# Altium PCB pcb_88.PcbDoc (part 1 of 3) (continued)
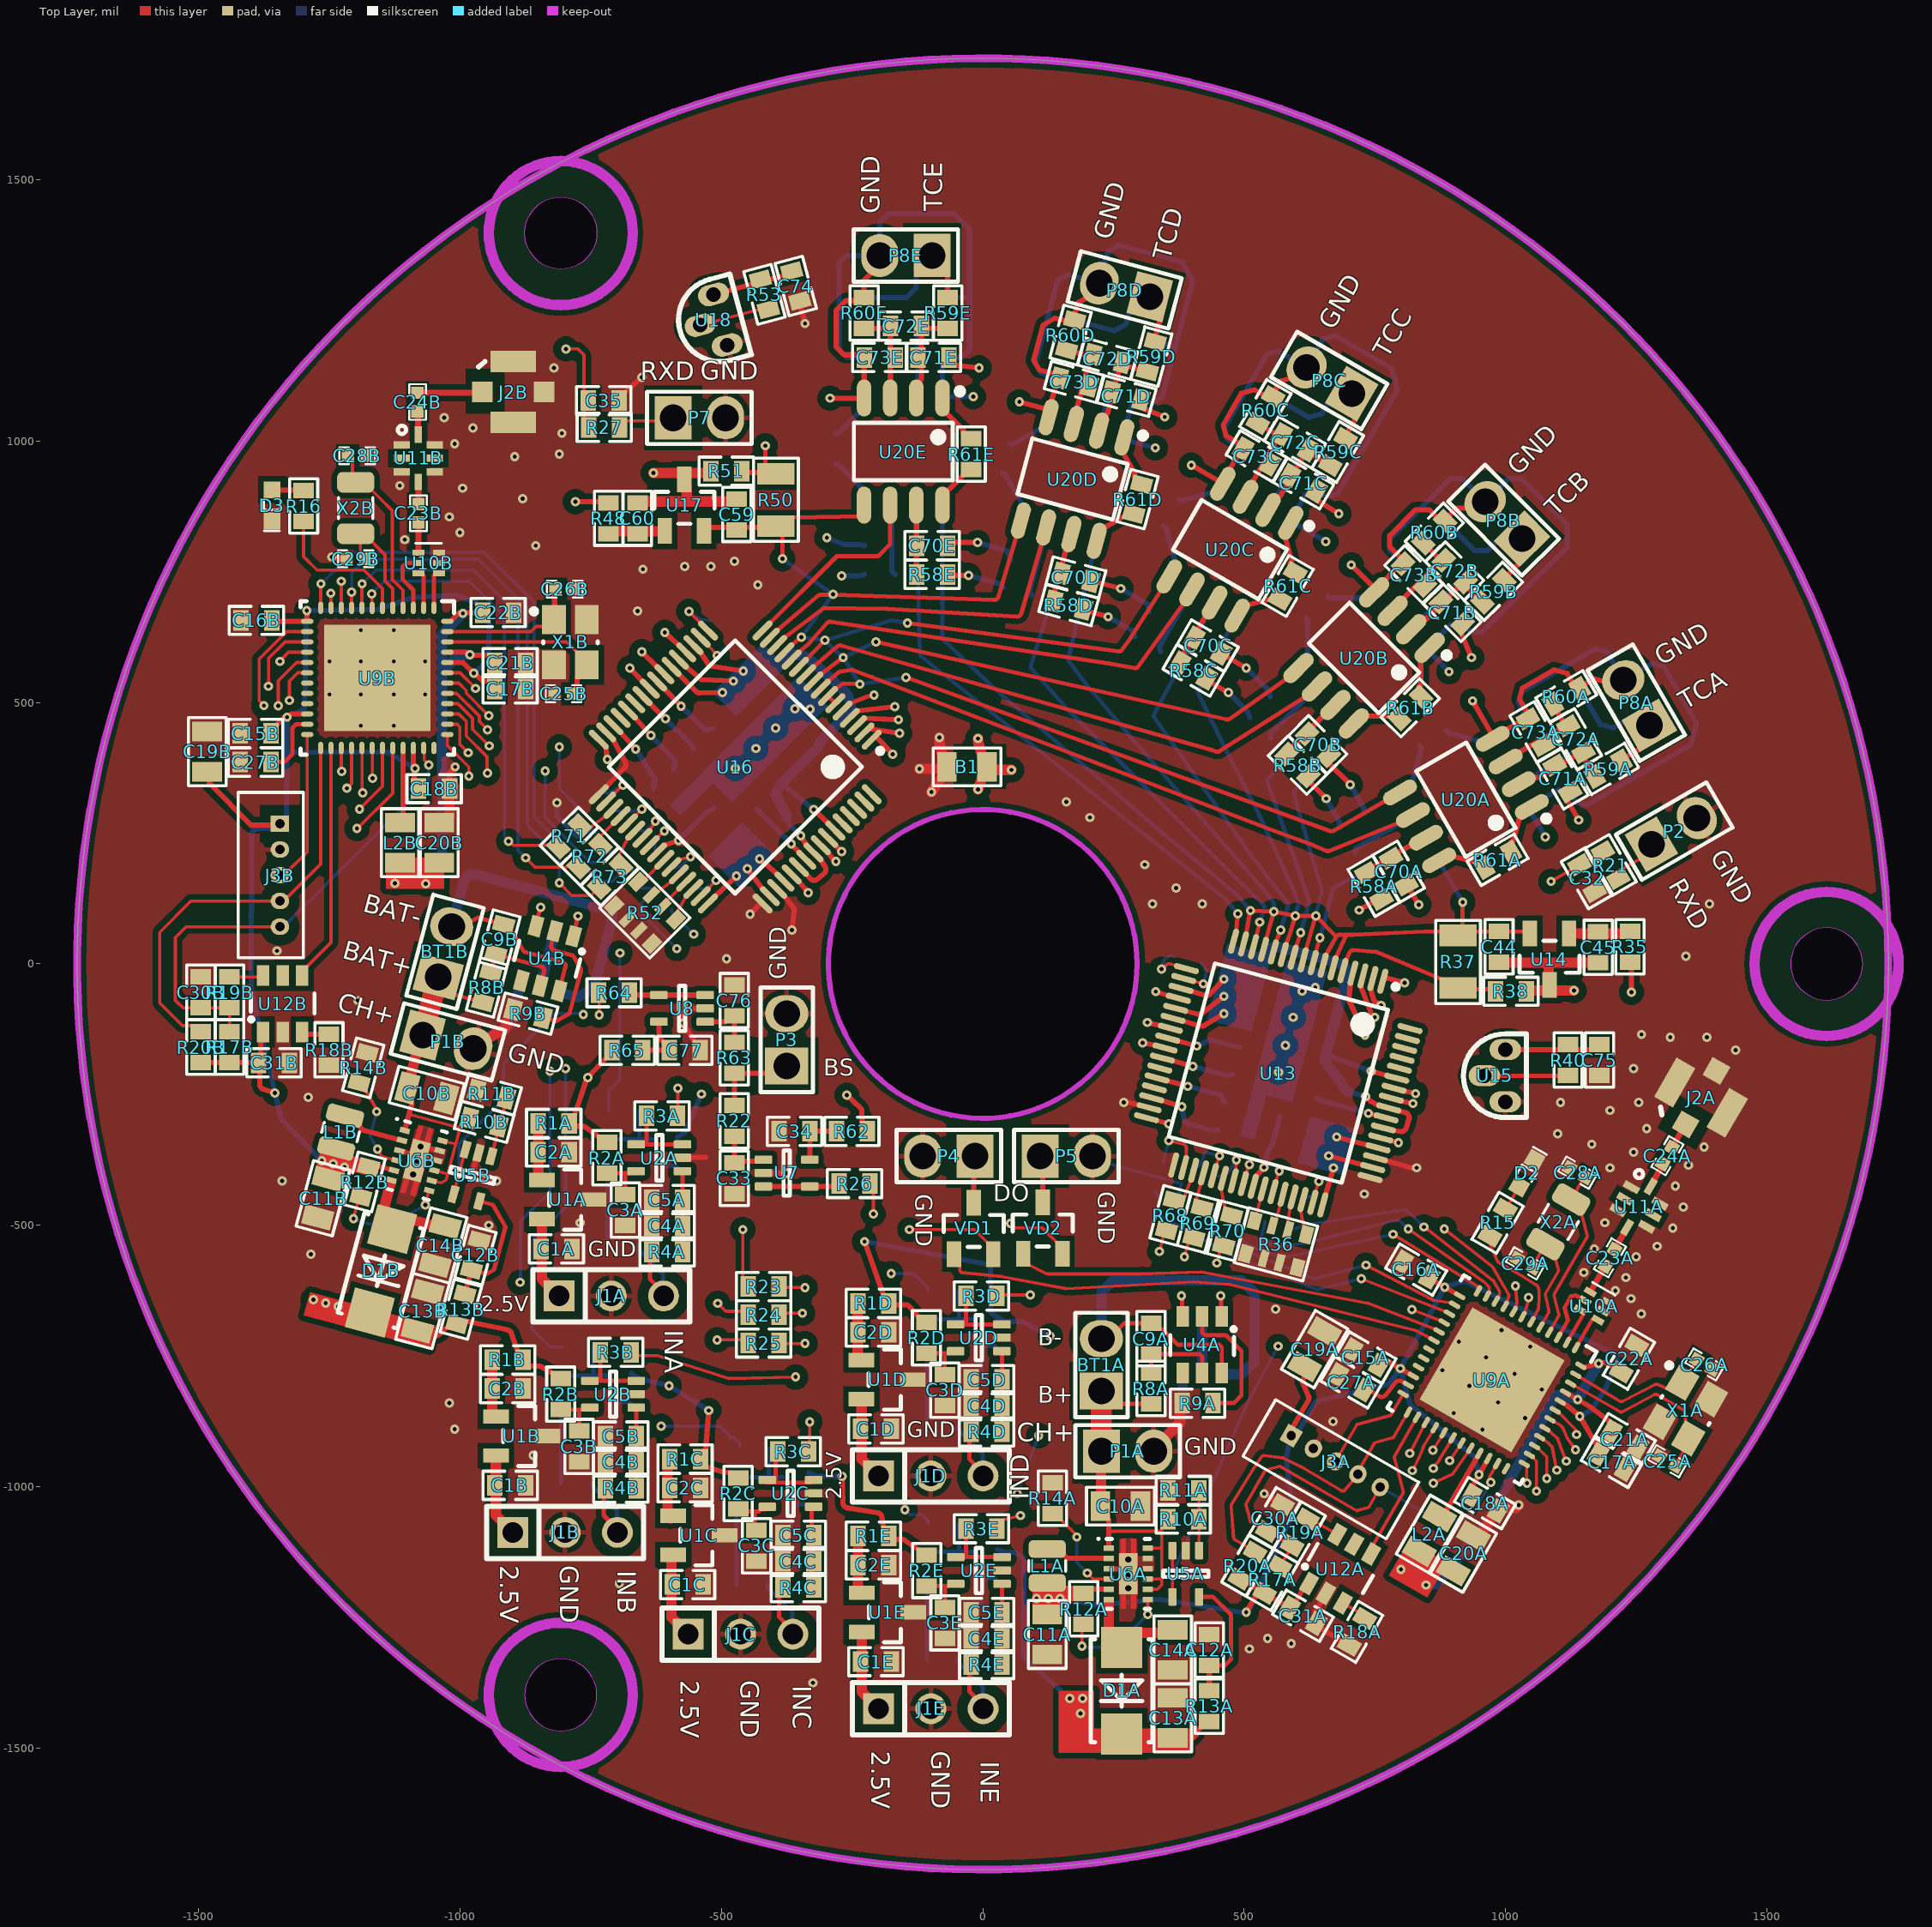
[diagram p0: Top Layer view]
## Components (designator, comment, footprint, x,y, rotation, side; value= is the part's Value field where it differs from the comment) (continued)
C40 "1uF" R0603_C 548.57,-60.55 r165 bottom
C41 "1uF" R0603_C 562.76,-7.58 r165 bottom
C42 "1uF" R0603_C 596.45,-300.9 r165 bottom
C43 "1uF" R0603_C 582.63,-352.48 r165 bottom
C44 "1uF" R0603_C 987.54,32.63 r90 top
C45 "1uF" R0603_C 1177.25,31.7 r90 top
C46 "330nF" R0603_C 520.19,-166.48 r165 bottom
C47 "470pF" R0603_C 491.8,-272.41 r345 bottom
C48 "270nF" R0603_C 477.61,-325.37 r345 bottom
C49 "270nF" R0603_C 610.27,-249.32 r165 bottom
C50 "270nF" R0603_C 505.99,-219.44 r345 bottom
C51 "1uF" R0603_C -414.36,356.11 r315 bottom
C52 "1uF" R0603_C -375.19,395.28 r315 bottom
C53 "1uF" R0603_C -336.02,434.45 r315 bottom
C54 "1uF" R0603_C -455.75,467.45 r135 bottom
C55 "1uF" R0603_C -417.45,505.75 r135 bottom
C56 "1uF" R0603_C -379.15,544.06 r135 bottom
C57 "1uF" R0603_C -492.71,277.76 r135 bottom
C58 "1uF" R0603_C -531.88,238.59 r135 bottom
C59 "1uF" R0603_C -470.56,859.84 r270 top
C60 "1uF" R0603_C -660.56,852.39 r270 top
C61 "330nF" R0603_C -494.05,429.15 r135 bottom
C62 "470pF" R0603_C -570.66,352.55 r315 bottom
C63 "270nF" R0603_C -608.96,314.25 r315 bottom
C64 "270nF" R0603_C -453.54,316.94 r135 bottom
C65 "270nF" R0603_C -532.36,390.85 r315 bottom
C66A "100nF" R0603_C 745.77,263.2 r300 bottom (schematic designator C66)
C66B "100nF" R0603_C 570.32,489.89 r315 bottom (schematic designator C66)
C66C "100nF" R0603_C 344.07,658.87 r330 bottom (schematic designator C66)
C66D "100nF" R0603_C 81.89,765.25 r345 bottom (schematic designator C66)
C66E "100nF" R0603_C -197,800 r0 bottom (schematic designator C66)
C67A "100nF" R0603_C 1055,445 r300 bottom (schematic designator C67)
C67B "100nF" R0603_C 825,745 r315 bottom (schematic designator C67)
C67C "100nF" R0603_C 520,975 r330 bottom (schematic designator C67)
C67D "100nF" R0603_C 170,1115 r345 bottom (schematic designator C67)
C67E "100nF" R0603_C -205,1160 r0 bottom (schematic designator C67)
C68A "10nF" R0603_C 1134.5,429.9 r300 bottom (schematic designator C68)
C68B "10nF" R0603_C 902.66,751.52 r315 bottom (schematic designator C68)
C68C "10nF" R0603_C 597.37,997.6 r330 bottom (schematic designator C68)
C68D "10nF" R0603_C 238.89,1158 r345 bottom (schematic designator C68)
C68E "10nF" R0603_C -147,1220 r0 bottom (schematic designator C68)
C69A "100nF" R0603_C 1110,350 r300 bottom (schematic designator C69)
C69B "100nF" R0603_C 900,670 r315 bottom (schematic designator C69)
C69C "100nF" R0603_C 615,920 r330 bottom (schematic designator C69)
C69D "100nF" R0603_C 275,1085 r345 bottom (schematic designator C69)
C69E "100nF" R0603_C -95,1160 r0 bottom (schematic designator C69)
C70A "100nF" R0603_C 795.77,176.6 r120 top (schematic designator C70)
C70B "100nF" R0603_C 641.03,419.18 r135 top (schematic designator C70)
C70C "100nF" R0603_C 430.67,608.87 r150 top (schematic designator C70)
C70D "100nF" R0603_C 178.48,739.37 r165 top (schematic designator C70)
C70E "100nF" R0603_C -97,800 r180 top (schematic designator C70)
C71A "100nF" R0603_C 1108.81,354.38 r120 top (schematic designator C71)
C71B "100nF" R0603_C 897.39,671.93 r135 top (schematic designator C71)
C71C "100nF" R0603_C 612.89,919.36 r150 top (schematic designator C71)
C71D "100nF" R0603_C 274.13,1086.44 r165 top (schematic designator C71)
C71E "100nF" R0603_C -94.44,1160 r180 top (schematic designator C71)
C72A "10nF" R0603_C 1134.5,429.9 r120 top (schematic designator C72)
C72B "10nF" R0603_C 902.66,751.52 r135 top (schematic designator C72)
C72C "10nF" R0603_C 597.37,997.6 r150 top (schematic designator C72)
C72D "10nF" R0603_C 238.89,1158 r165 top (schematic designator C72)
C72E "10nF" R0603_C -147,1220 r180 top (schematic designator C72)
C73A "100nF" R0603_C 1057.53,443.2 r120 top (schematic designator C73)
C73B "100nF" R0603_C 824.87,744.45 r135 top (schematic designator C73)
C73C "100nF" R0603_C 524.07,970.64 r150 top (schematic designator C73)
C73D "100nF" R0603_C 175.06,1112.98 r165 top (schematic designator C73)
C73E "100nF" R0603_C -197,1160 r180 top (schematic designator C73)
C74 "100nF" R0603_C -357.63,1296.59 r285 top
C75 "100nF" R0603_C 1179.58,-183.76 r270 top
C76 "100pF" R0603_C -475,-70 r270 top
C77 "100nF" R0603_C -570,-165 r180 top
D1A "B340A-13-F" SMA(DO-214AC)_S2 266,-1390 r90 top (schematic designator D1)
D1B "B340A-13-F" SMA(DO-214AC)_S2 -1151,-587 r75 top (schematic designator D1)
D2 "MHT192WDT-C2" LED_0603_RED 1041,-400 r60 top
D3 "MHT192WDT-C2" LED_0603_RED -1359.45,877.26 r270 top
J1A "HEADER3/2.54" SIP3/2.54 -810.53,-635 r0 top (schematic designator J1)
J1B "HEADER3/2.54" SIP3/2.54 -898.87,-1087.24 r0 top (schematic designator J1)
J1C "HEADER3/2.54" SIP3/2.54 -563.14,-1281.86 r0 top (schematic designator J1)
J1D "HEADER3/2.54" SIP3/2.54 -199.38,-979.29 r0 top (schematic designator J1)
J1E "HEADER3/2.54" SIP3/2.54 -199.1,-1424.41 r0 top (schematic designator J1)
J2A "IPEX" molex-73412 1373.86,-255.83 r330 top (schematic designator J2)
J2B "IPEX" molex-73412 -898,1094 r270 top (schematic designator J2)
J3A "530470510" 1.25mm_p5 589.92,-902.32 r60 top (schematic designator J3)
J3B "530470510" 1.25mm_p5 -1344.34,268.02 r0 top (schematic designator J3)
L1A "2.2uH" NR2016 123.41,-1151.57 r270 top (schematic designator L1)
L1B "2.2uH" NR2016 -1228.19,-321.52 r255 top (schematic designator L1)
L2A "6.8uH" R0805_L 854.49,-1090.15 r240 top (schematic designator L2)
L2B "6.8uH" R0805_L -1114.34,232 r270 top (schematic designator L2)
P1A "Header 2" CP1X2 227.03,-932 r0 top (schematic designator P1)
P1B "Header 2" CP1X2 -1071.28,-136.25 r345 top (schematic designator P1)
P2 "Header 2" CP1X2 1279.32,229.02 r30 top
P3 "Header 2" CP1X2 -375,-195 r90 top
P4 "Header 2" CP1X2 -14.95,-367.58 r180 top
P5 "Header 2" CP1X2 110.05,-367.58 r0 top
P7 "Header 2" CP1X2 -591.94,1044.47 r0 top
P8A "Header 2" CP1X2 1275.13,456.31 r120 top (schematic designator P8)
P8B "Header 2" CP1X2 1031.66,813.43 r135 top (schematic designator P8)
P8C "Header 2" CP1X2 705.96,1090.79 r150 top (schematic designator P8)
P8D "Header 2" CP1X2 319.65,1276.12 r165 top (schematic designator P8)
P8E "Header 2" CP1X2 -97,1355 r180 top (schematic designator P8)
Q1A "DMG6968UDM-7" DBV0006A_N 419.76,-728.54 r90 bottom (schematic designator Q1)
Q1B "DMG6968UDM-7" DBV0006A_N -832.45,10.4 r75 bottom (schematic designator Q1)
R1A "10R" R0603_R -820.53,-305 r180 top (schematic designator R1)
R1B "10R" R0603_R -908.87,-757.24 r180 top (schematic designator R1)
R1C "10R" R0603_R -569.53,-947 r180 top (schematic designator R1)
R1D "10R" R0603_R -209.38,-649.29 r180 top (schematic designator R1)
R1E "10R" R0603_R -209.1,-1094.41 r180 top (schematic designator R1)
R2A "10R" R0603_R -718.68,-370.71 r90 top (schematic designator R2)
R2B "10R" R0603_R -807.02,-822.95 r90 top (schematic designator R2)
R2C "10R" R0603_R -467.68,-1012.71 r90 top (schematic designator R2)
R2D "10R" R0603_R -107.53,-715 r90 top (schematic designator R2)
R2E "10R" R0603_R -107.25,-1160.12 r90 top (schematic designator R2)
R3A "1K" R0603_R -613.68,-290.71 r0 top (schematic designator R3)
R3B "1K" R0603_R -702.02,-742.95 r0 top (schematic designator R3)
R3C "1K" R0603_R -362.68,-932.71 r0 top (schematic designator R3)
R3D "1K" R0603_R -2.53,-635 r0 top (schematic designator R3)
R3E "1K" R0603_R -2.25,-1080.12 r0 top (schematic designator R3)
R4A "10K" R0603_R -603.68,-550.71 r0 top (schematic designator R4)
R4B "10K" R0603_R -692.02,-1002.95 r0 top (schematic designator R4)
R4C "10K" R0603_R -352.68,-1192.71 r0 top (schematic designator R4)
R4D "10K" R0603_R 7.47,-895 r0 top (schematic designator R4)
R4E "10K" R0603_R 7.75,-1340.12 r0 top (schematic designator R4)
R5A "10R" R0603_R -583.68,-360.71 r90 bottom (schematic designator R5)
R5B "10R" R0603_R -672.02,-812.95 r90 bottom (schematic designator R5)
R5C "10R" R0603_R -332.68,-1002.71 r90 bottom (schematic designator R5)
R5D "10R" R0603_R 27.47,-705 r90 bottom (schematic designator R5)
R5E "10R" R0603_R 27.75,-1150.12 r90 bottom (schematic designator R5)
R6A "1K" R0603_R -686.12,-280.71 r180 bottom (schematic designator R6)
R6B "1K" R0603_R -774.46,-732.95 r180 bottom (schematic designator R6)
R6C "1K" R0603_R -435.12,-922.71 r180 bottom (schematic designator R6)
R6D "1K" R0603_R -74.97,-625 r180 bottom (schematic designator R6)
R6E "1K" R0603_R -74.69,-1070.12 r180 bottom (schematic designator R6)
R7A "10K" R0603_R -688.68,-540.71 r180 bottom (schematic designator R7)
R7B "10K" R0603_R -777.02,-992.95 r180 bottom (schematic designator R7)
R7C "10K" R0603_R -437.68,-1182.71 r180 bottom (schematic designator R7)
R7D "10K" R0603_R -77.53,-885 r180 bottom (schematic designator R7)
R7E "10K" R0603_R -77.25,-1330.12 r180 bottom (schematic designator R7)
R8A "470R" R0603_R 322.03,-812 r90 top (schematic designator R8)
R8B "470R" R0603_R -948.45,-44.93 r75 top (schematic designator R8)
R9A "2K" R0603_R 411.03,-840 r180 top (schematic designator R9)
R9B "2K" R0603_R -869.73,-95.01 r165 top (schematic designator R9)
R10A "10M" R0603_R 383.41,-1062 r180 top (schematic designator R10)
R10B "10M" R0603_R -953.87,-302.29 r165 top (schematic designator R10)
R11A "10M" R0603_R 383.41,-1007 r0 top (schematic designator R11)
R11B "10M" R0603_R -939.64,-249.17 r345 top (schematic designator R11)
R12A "100K" R0603_R 193,-1233.47 r90 top (schematic designator R12)
R12B "100K" R0603_R -1182,-417 r75 top (schematic designator R12)
R13A "10R" R0603_R 433.41,-1419.44 r270 top (schematic designator R13)
R13B "10R" R0603_R -998.09,-660.5 r255 top (schematic designator R13)
R14A "100K" R0603_R 133.41,-1022 r270 top (schematic designator R14)
R14B "100K" R0603_R -1185,-198.95 r255 top (schematic designator R14)
R15 "330R" R0603_R 985,-495 r240 top
R16 "330R" R0603_R -1299.03,875.85 r90 top
R17A "100K" R0603_R 553.93,-1178.15 r240 top (schematic designator R17)
R17B "100K" R0603_R -1440.54,-159.3 r270 top (schematic designator R17)
R18A "10K" R0603_R 715.98,-1277.48 r60 top (schematic designator R18)
R18B "10K" R0603_R -1250.54,-164.3 r90 top (schematic designator R18)
R19A "0R" R0603_R 606.43,-1087.21 r240 top (schematic designator R19)
R19B "0R" R0603_R -1440.54,-54.3 r270 top (schematic designator R19)
R20A "0R" R0603_R 506.3,-1150.65 r60 top (schematic designator R20)
R20B "0R" R0603_R -1495.54,-159.3 r90 top (schematic designator R20)
R21 "47R" R0603_R 1200.92,189.02 r300 top
R22 "10K" R0603_R -475,-300 r270 top
R23 "10K" R0603_R -419,-617 r0 top
R24 "10K" R0603_R -419,-671 r0 top
R25 "10K" R0603_R -419,-725 r0 top
R26 "1K" R0603_R -245,-420 r0 top
R27 "47R" R0603_R -723.89,1026.01 r0 top
R28 "1K" R0603_R 605.55,-477.67 r255 bottom
R29 "10R" R0603_R 692.73,-273.66 r75 bottom
R30 "47R" R0603_R 442.83,-434.81 r255 bottom
R31 "47R" R0603_R 495.34,-448.88 r255 bottom
R32 "47R" R0603_R 337.81,-406.67 r255 bottom
R33 "47R" R0603_R 547.85,-462.95 r255 bottom
R34 "10K" R0603_R 390.32,-420.74 r255 bottom
R35 "10R" R0603_R 1238,33 r90 top
R36 "10K" R0603X4 561,-536 r255 top
R37 "PTS1206M1B1K00P100" R1206_R 909.18,4.39 r270 top
R38 "100K/0.1%" R0603_R 1010.32,-52.37 r0 top
R39 "10K" R0603_R 368.25,45.31 r75 bottom
R40 "10K" R0603_R 1119.58,-183.76 r90 top
R41 "1K" R0603_R -574.31,125.45 r225 bottom
R42 "10R" R0603_R -396.23,260.23 r45 bottom
R43 "47R" R0603_R -684.62,235.76 r225 bottom
R44 "47R" R0603_R -647.85,198.99 r225 bottom
R45 "47R" R0603_R -758.16,309.3 r225 bottom
R46 "47R" R0603_R -611.08,162.22 r225 bottom
R47 "10K" R0603_R -721.39,272.53 r225 bottom
R48 "10R" R0603_R -715.56,852.39 r270 top
R49 "10K" R0603_R 426.21,29.78 r75 bottom
R50 "PTS1206M1B1K00P100" R1206_R -395.56,887.39 r90 top
R51 "100K/0.1%" R0603_R -490.56,942.39 r180 top
R52 "10K" R0603X4 -646,98 r225 top
R53 "10K" R0603_R -417.52,1280.55 r105 top
R54A "10R" R0603_R 698.13,235.7 r120 bottom (schematic designator R54)
R54B "10R" R0603_R 531.42,451 r135 bottom (schematic designator R54)
R54C "10R" R0603_R 316.57,611.24 r150 bottom (schematic designator R54)
R54D "10R" R0603_R 67.65,712.12 r165 bottom (schematic designator R54)
R54E "10R" R0603_R -197,745 r180 bottom (schematic designator R54)
R55A "1K" R0603_R 1116.15,511.68 r210 bottom (schematic designator R55)
R55B "1K" R0603_R 863.76,825.76 r225 bottom (schematic designator R55)
R55C "1K" R0603_R 540.59,1059.25 r240 bottom (schematic designator R55)
R55D "1K" R0603_R 168.08,1202.85 r255 bottom (schematic designator R55)
R55E "1K" R0603_R -227,1245 r270 bottom (schematic designator R55)
R56A "1K" R0603_R 1195,370 r210 bottom (schematic designator R56)
R56B "1K" R0603_R 975,710 r225 bottom (schematic designator R56)
R56C "1K" R0603_R 680,980 r240 bottom (schematic designator R56)
R56D "1K" R0603_R 325,1160 r255 bottom (schematic designator R56)
R56E "1K" R0603_R -65,1245 r270 bottom (schematic designator R56)
R57A "10K" R0603_R 863.48,429.31 r210 bottom (schematic designator R57)
R57B "10K" R0603_R 641.03,680.81 r225 bottom (schematic designator R57)
R57C "10K" R0603_R 362.96,861.58 r240 bottom (schematic designator R57)
R57D "10K" R0603_R 47.66,965.94 r255 bottom (schematic designator R57)
R57E "10K" R0603_R -282,985 r270 bottom (schematic designator R57)
R58A "10R" R0603_R 748.13,149.1 r300 top (schematic designator R58)
R58B "10R" R0603_R 602.13,380.29 r315 top (schematic designator R58)
R58C "10R" R0603_R 403.17,561.24 r330 top (schematic designator R58)
R58D "10R" R0603_R 164.24,686.24 r345 top (schematic designator R58)
R58E "10R" R0603_R -97,745 r0 top (schematic designator R58)
R59A "1K" R0603_R 1196.15,373.11 r210 top (schematic designator R59)
R59B "1K" R0603_R 976.9,712.63 r225 top (schematic designator R59)
R59C "1K" R0603_R 679.15,979.25 r240 top (schematic designator R59)
R59D "1K" R0603_R 322.63,1161.44 r255 top (schematic designator R59)
R59E "1K" R0603_R -67,1245 r270 top (schematic designator R59)
R60A "1K" R0603_R 1116.15,511.68 r210 top (schematic designator R60)
R60B "1K" R0603_R 863.76,825.76 r225 top (schematic designator R60)
R60C "1K" R0603_R 540.59,1059.25 r240 top (schematic designator R60)
R60D "1K" R0603_R 168.08,1202.85 r255 top (schematic designator R60)
R60E "1K" R0603_R -227,1245 r270 top (schematic designator R60)
R61A "10K" R0603_R 984.82,199.14 r210 top (schematic designator R61)
R61B "10K" R0603_R 817.8,489.89 r225 top (schematic designator R61)
R61C "10K" R0603_R 583.13,722.92 r240 top (schematic designator R61)
R61D "10K" R0603_R 296.22,888.99 r255 top (schematic designator R61)
R61E "10K" R0603_R -22,975 r270 top (schematic designator R61)
R62 "10R" R0603_R -250.47,-320 r0 top
R63 "10K" R0603_R -475,-179.53 r90 top
R64 "1K" R0603_R -705,-55 r180 top
R65 "10R" R0603_R -680,-165 r180 top
R66 "10K" R0603_R -499.71,677.5 r45 bottom
R67 "10K" R0603_R -457.28,635.07 r45 bottom
R68 "1K" R0603_R 359,-481 r255 top
R69 "1K" R0603_R 411.64,-495.48 r255 top
R70 "1K" R0603_R 468.64,-510.48 r255 top
R71 "1K" R0603_R -791,244 r225 top
R72 "1K" R0603_R -752,206 r225 top
R73 "1K" R0603_R -713,167 r225 top
U1A "REF3325AIDBZR" SOT-23(SOT-23-3) -793.68,-450.71 r180 top (schematic designator U1)
U1B "REF3325AIDBZR" SOT-23(SOT-23-3) -882.02,-902.95 r180 top (schematic designator U1)
U1C "REF3325AIDBZR" SOT-23(SOT-23-3) -542.68,-1092.71 r180 top (schematic designator U1)
U1D "REF3325AIDBZR" SOT-23(SOT-23-3) -182.53,-795 r180 top (schematic designator U1)
U1E "REF3325AIDBZR" SOT-23(SOT-23-3) -182.25,-1240.12 r180 top (schematic designator U1)
U2A "TLV333IDCK" DCK0005A_N -618.68,-370.71 r180 top (schematic designator U2)
U2B "TLV333IDCK" DCK0005A_N -707.02,-822.95 r180 top (schematic designator U2)
U2C "TLV333IDCK" DCK0005A_N -367.68,-1012.71 r180 top (schematic designator U2)
U2D "TLV333IDCK" DCK0005A_N -7.53,-715 r180 top (schematic designator U2)
U2E "TLV333IDCK" DCK0005A_N -7.25,-1160.12 r180 top (schematic designator U2)
U3A "TLV333IDCK" DCK0005A_N -673.68,-360.71 r0 bottom (schematic designator U3)
U3B "TLV333IDCK" DCK0005A_N -762.02,-812.95 r0 bottom (schematic designator U3)
U3C "TLV333IDCK" DCK0005A_N -422.68,-1002.71 r0 bottom (schematic designator U3)
U3D "TLV333IDCK" DCK0005A_N -62.53,-705 r0 bottom (schematic designator U3)
U3E "TLV333IDCK" DCK0005A_N -62.25,-1150.12 r0 bottom (schematic designator U3)
U4A "S-8261AAJMD-G2JT2S" DBV0006A_N 419.76,-728.54 r270 top (schematic designator U4)
U4B "S-8261AAJMD-G2JT2S" DBV0006A_N -832.45,10.4 r255 top (schematic designator U4)
U5A "TLV333IDCK" DCK0005A_N 388.41,-1166.29 r270 top (schematic designator U5)
U5B "TLV333IDCK" DCK0005A_N -976.03,-404.32 r255 top (schematic designator U5)
U6A "TPS62740DSSR" DSS0012A 278.43,-1166.47 r0 top (schematic designator U6)
U6B "TPS62740DSSR" DSS0012A -1082.31,-376.04 r345 top (schematic designator U6)
U7 "TLV333IDCK" DCK0005A_N -375,-400 r0 top
U8 "TLV333IDCK" DCK0005A_N -575,-85 r180 top
U9A "CC1310F128RGZR" RGZ0048A 974.18,-795.52 r240 top (schematic designator U9)
U9B "CC1310F128RGZR" RGZ0048A -1158,547 r270 top (schematic designator U9)
U10A "0850BM14E0016" 6P0603 1162.14,-627.27 r330 top (schematic designator U10)
U10B "0850BM14E0016" 6P0603 -1079.34,786.69 r0 top (schematic designator U10)
U11A "0900LP15B0063" 8P0805 1237.31,-425 r330 top (schematic designator U11)
U11B "0900LP15B0063" 8P0805 -1114.98,992.59 r0 top (schematic designator U11)
U12A "TPL5010DDCR" DBV0006A_N 683.41,-1156.82 r60 top (schematic designator U12)
U12B "TPL5010DDCR" DBV0006A_N -1339.07,-76.09 r90 top (schematic designator U12)
U13 "ADS131E08SPAG" TQFP-64 565.23,-208.79 r255 top
U14 "REF3312AIDBZR" SOT-23(SOT-23-3) 1084,8.79 r90 top
U15 "DS18B20" TO-92 999.58,-263.76 r90 top
U16 "ADS131E08SPAG" TQFP-64 -473.3,376.73 r225 top
U17 "REF3312AIDBZR" SOT-23(SOT-23-3) -570.56,877.39 r270 top
U18 "DS18B20" TO-92 -488.91,1183.77 r105 top
U19A "AD627BRZ" SOP-8_150mil 924.15,314.23 r300 bottom (schematic designator U19)
U19B "AD627BRZ" SOP-8_150mil 729.41,585.35 r315 bottom (schematic designator U19)
U19C "AD627BRZ" SOP-8_150mil 473.04,792.25 r330 bottom (schematic designator U19)
U19D "AD627BRZ" SOP-8_150mil 171.94,927.47 r345 bottom (schematic designator U19)
U19E "AD627BRZ" SOP-8_150mil -152,980 r0 bottom (schematic designator U19)
U20A "AD627BRZ" SOP-8_150mil 924.15,314.23 r120 top (schematic designator U20)
U20B "AD627BRZ" SOP-8_150mil 729.41,585.35 r135 top (schematic designator U20)
U20C "AD627BRZ" SOP-8_150mil 473.04,792.25 r150 top (schematic designator U20)
U20D "AD627BRZ" SOP-8_150mil 171.94,927.47 r165 top (schematic designator U20)
U20E "AD627BRZ" SOP-8_150mil -152,980 r180 top (schematic designator U20)
VD1 "BAT54C" SOT-23(SOT-23-3) -17.4,-505.79 r270 top
VD2 "BAT54C" SOT-23(SOT-23-3) 115,-505 r270 top
X1A "24MHZ" SMD-3225 1344,-854 r330 top (schematic designator X1)
X1B "24MHZ" SMD-3225 -788.55,615.31 r0 top (schematic designator X1)
X2A "32.768k" FC-135 1100.88,-493.39 r240 top (schematic designator X2)
X2B "32.768k" FC-135 -1199.34,872 r270 top (schematic designator X2)

## Footprints (in the part's own frame and the unit in brackets; to place one, negate y for a bottom-side part, rotate by r counter-clockwise, add the part's x,y. Pads: shape width x height; smd on the part's side, far side on the other; paste and mask are expansions set on the pad)
1.25mm_p5 [mm]
  rect 0.9x0.8 hole 0.45: 1(0,0)
  oval 0.9x0.8 hole 0.45: 2(0,-1.25) 3(0,-2.5) 4(0,-3.75) 5(0,-5)
  silkscreen extent -2.03,-6.5 1.14,1.52, body extent -2.06,-6.48 1.14,1.52, height 4.28
6P0603 [mm]
  rect 0.6x0.3 smd: 1(0,0) 2(0,-0.5) 3(0,-1) 4(1,-1) 5(1,-0.5) 6(1,0)
  silkscreen extent -0.15,0.46 1.12,0.46, body extent 0.1,-1.3 0.9,0.3, height 0.6
8P0805 [mm]
  rect 0.8x0.35 smd: 1(0.1,0) 2(0.1,-0.65) 3(0.1,-1.3) 5(1.7,-1.3) 6(1.7,-0.65) 7(1.7,0)
  rect 0.35x0.8 smd: 4(0.9,-1.8) 8(0.9,0.5)
  silkscreen extent -0.1,0.54 0.3,0.94, body extent 0.28,-1.62 1.53,0.38, height 0.95
CP1X2 [mm]
  rect 1.8x2.1 hole 1.3: 1(0,0)
  oval 1.8x2.1 hole 1.3: 2(2.54,0)
  silkscreen extent -1.27,-1.27 3.81,1.27
DBV0006A_N [mm]
  rect 1x0.6 smd paste+0 mask+0.051: 1(-1.375,0.95) 2(-1.375,0) 3(-1.375,-0.95) 4(1.375,-0.95) 5(1.375,0) 6(1.375,0.95)
  silkscreen extent -0.86,-1.55 0.5,1.62, body extent -1.41,-1.45 1.41,1.45, height 1
DCK0005A_N [mm]
  rrect25% 0.85x0.4 smd: 1(-1.125,0.65) 2(-1.125,0) 3(-1.125,-0.65) 4(1.125,-0.65) 5(1.125,0.65)
  silkscreen extent -0.15,-1.1 0.15,1.1, body extent -1.1,-1 1.1,1, height 1.1
DSS0012A [mm]
  rect 0.5x0.28 smd paste-0.14 mask+0.076: 1(-0.95,1.25) 2(-0.95,0.75) 3(-0.95,0.25) 4(-0.95,-0.25) 5(-0.95,-0.75) 6(-0.95,-1.25) 7(0.95,-1.25) 8(0.95,-0.75) 9(0.95,-0.25) 10(0.95,0.25) 11(0.95,0.75) 12(0.95,1.25)
  rect 0.9x2 smd paste-0.45 mask+0.076: 13(0,0)
  Top Layer region: -0.125,-1.7 -0.375,-1.7 -0.375,-1 -0.45,-1 -0.45,1 -0.375,1 -0.375,1.7 -0.125,1.7 -0.125,1 0.125,1 0.125,1.7 0.375,1.7 0.375,1 0.45,1 0.45,-1 0.375,-1 0.375,-1.7 0.125,-1.7 0.125,-1 -0.125,-1
  silkscreen extent -1.5,-1.7 1.05,1.75, body extent -1,-1.5 1,1.5, height 0.8
FC-135 [mm]
  rrect50% 1x1.8 smd: 1(-1.25,0) 2(1.25,0)
  silkscreen extent -0.51,-0.84 0.51,0.84, body extent -1.6,-0.75 1.6,0.75, height 0.8
LED_0603_RED [mm]
  rect 0.8x0.8 smd mask+0.05: 1(-0.75,0) 2(0.75,0)
  silkscreen extent -0.25,-0.4 1.25,0.4, body extent -0.8,-0.4 0.8,0.4, height 0.6
molex-73412 [mm]
  rect 1x1 smd: 1(0,-1.5) 3(0,1.5)
  rect 1.05x2.2 smd: 2(1.475,0) 4(-1.475,0)
  silkscreen extent -1.47,-1.68 -1.22,-1.37, body extent -1.5,-1.54 1.5,1.54, height 1.5
NR2016 [mm]
  rrect50% 0.85x1.8 smd: 1(-0.825,0) 2(0.825,0)
  silkscreen extent -0.25,-0.89 0.25,0.89, body extent -1.05,-0.8 1.05,0.8, height 0.9
R0402_C [mm]
  rect 0.6x0.6 smd mask+0.05: 1(-0.45,0) 2(0.45,0)
  silkscreen extent -0.86,-0.41 0.86,0.41, body extent -0.5,-0.31 0.5,0.31, height 0.4
R0603_C [mm]
  rect 0.75x1 smd: 1(-0.75,0) 2(0.75,0)
  silkscreen extent -1.32,-0.69 1.32,0.69, body extent -0.8,-0.4 0.8,0.4, height 0.3
R0603_R [mm]
  rect 0.75x1 smd: 1(-0.75,0) 2(0.75,0)
  silkscreen extent -1.32,-0.69 1.32,0.69, body extent -0.85,-0.4 0.85,0.4, height 0.56
R0603X4 [mm]
  rect 0.85x0.6 smd paste+0 mask+0: 1(-0.825,1.3) 4(-0.825,-1.3) 5(0.825,-1.3) 8(0.825,1.3)
  rect 0.85x0.4 smd paste+0 mask+0: 2(-0.825,0.4) 3(-0.825,-0.4) 6(0.825,-0.4) 7(0.825,0.4)
  silkscreen extent -1.37,-1.73 1.4,1.73, body extent -0.8,-1.6 0.8,1.6, height 0.51
R0805_C [mm] "Chip Resistor; Body 80x50mil (2.0 x 1.3 mm)"
  rect 0.95x1.45 smd: 1(-0.975,0) 2(0.975,0)
  silkscreen extent -1.65,-0.91 1.65,0.91, body extent -1.1,-0.71 1.1,0.71, height 1.35
R0805_L [mm] "Chip Resistor; Body 80x50mil (2.0 x 1.3 mm)"
  rect 0.95x1.45 smd: 1(-0.975,0) 2(0.975,0)
  silkscreen extent -1.65,-0.91 1.65,0.91, body extent -1,-0.62 1,0.63, height 1.25
R1206_R [mm] "Chip Resistor; Body 120x60mil (3.2 x 1.6 mm )"
  rect 1.05x1.8 smd: 1(-1.275,0) 2(1.275,0)
  silkscreen extent -2.01,-1.09 2.03,1.09, body extent -1.6,-0.8 1.6,0.8, height 0.55
RGZ0048A [mm] "QFN, 48-Leads, Body 7x7mm, Pitch 0.5mm, Thermal Pad 5.15X5.15mm, TI recommended"
  oval 0.6x0.24 smd: 1(-3.4,2.75) 2(-3.4,2.25) 3(-3.4,1.75) 4(-3.4,1.25) 5(-3.4,0.75) 6(-3.4,0.25) 7(-3.4,-0.25) 8(-3.4,-0.75) 9(-3.4,-1.25) 10(-3.4,-1.75) 11(-3.4,-2.25) 12(-3.4,-2.75) 25(3.4,-2.75) 26(3.4,-2.25) 27(3.4,-1.75) 28(3.4,-1.25) 29(3.4,-0.75) 30(3.4,-0.25) 31(3.4,0.25) 32(3.4,0.75) 33(3.4,1.25) 34(3.4,1.75) 35(3.4,2.25) 36(3.4,2.75)
  oval 0.24x0.6 smd: 13(-2.75,-3.4) 14(-2.25,-3.4) 15(-1.75,-3.4) 16(-1.25,-3.4) 17(-0.75,-3.4) 18(-0.25,-3.4) 19(0.25,-3.4) 20(0.75,-3.4) 21(1.25,-3.4) 22(1.75,-3.4) 23(2.25,-3.4) 24(2.75,-3.4) 37(2.75,3.4) 38(2.25,3.4) 39(1.75,3.4) 40(1.25,3.4) 41(0.75,3.4) 42(0.25,3.4) 43(-0.25,3.4) 44(-0.75,3.4) 45(-1.25,3.4) 46(-1.75,3.4) 47(-2.25,3.4) 48(-2.75,3.4)
  rect 5.15x5.15 smd paste-2.6: 49(0,0)
  silkscreen extent -3.73,-3.73 3.73,3.73, body extent -3.58,-3.58 3.57,3.58, height 1.01
SIP3/2.54 [mm] "3 Leads,Pitch=2.54mm, 焊盘: 外径1.5mm,孔径1mm"
  rect 1.5x1.5 hole 1: 1(0,0)
  round 1.5 hole 1: 2(2.54,0) 3(5.08,0)
  silkscreen extent -1.27,-1.27 6.35,1.27
SMA(DO-214AC)_S2 [mm]
  rect 2x2 smd: 1(2.1,0) 2(-2.1,0)
  silkscreen extent -2.5,-1.5 2.5,1.5, body extent -2.6,-1.3 2.6,1.3, height 2.42
SMD-3225 [mm]
  rect 1.15x1.4 smd: 1(-0.8,1.1) 2(-0.8,-1.1) 3(0.8,-1.1) 4(0.8,1.1)
  silkscreen extent -1.9,-0.05 1.33,1.62, body extent -1.32,-1.68 1.33,1.67, height 0.61
SOP-8_150mil [mm]
  oval 0.7x1.8 smd: 1(-1.905,-2.6) 2(-0.635,-2.6) 3(0.635,-2.6) 4(1.905,-2.6) 5(1.905,2.6) 6(0.635,2.6) 7(-0.635,2.6) 8(-1.905,2.6)
  silkscreen extent -2.9,-3.07 2.4,1.4, body extent -2.5,-3.1 2.5,3.1, height 1.75
SOT-23(SOT-23-3) [mm]
  rect 1.25x0.7 smd: 1(1.25,-0.95) 2(1.25,0.95) 3(-1.25,0)
  silkscreen extent -0.65,-1.46 0.9,1.46, body extent -1.5,-1.5 1.5,1.5, height 1.3
TO-92 [mil] "pitch=50mil"
  oval 40x60 hole 28: 1(0,0) 2(50,40) 3(100,0)
  silkscreen extent -30,-40 130,80, body extent -49,-57 140,97, height 276
TQFP-64 [mm]
  oval 1.25x0.3 smd paste+0 mask+0.051: 1(-5.625,3.75) 2(-5.625,3.25) 3(-5.625,2.75) 4(-5.625,2.25) 5(-5.625,1.75) 6(-5.625,1.25) 7(-5.625,0.75) 8(-5.625,0.25) 9(-5.625,-0.25) 10(-5.625,-0.75) 11(-5.625,-1.25) 12(-5.625,-1.75) 13(-5.625,-2.25) 14(-5.625,-2.75) 15(-5.625,-3.25) 16(-5.625,-3.75) 33(5.625,-3.75) 34(5.625,-3.25) 35(5.625,-2.75) 36(5.625,-2.25) 37(5.625,-1.75) 38(5.625,-1.25) 39(5.625,-0.75) 40(5.625,-0.25) 41(5.625,0.25) 42(5.625,0.75) 43(5.625,1.25) 44(5.625,1.75) 45(5.625,2.25) 46(5.625,2.75) 47(5.625,3.25) 48(5.625,3.75)
  oval 0.3x1.25 smd paste+0 mask+0.051: 17(-3.75,-5.625) 18(-3.25,-5.625) 19(-2.75,-5.625) 20(-2.25,-5.625) 21(-1.75,-5.625) 22(-1.25,-5.625) 23(-0.75,-5.625) 24(-0.25,-5.625) 25(0.25,-5.625) 26(0.75,-5.625) 27(1.25,-5.625) 28(1.75,-5.625) 29(2.25,-5.625) 30(2.75,-5.625) 31(3.25,-5.625) 32(3.75,-5.625) 49(3.75,5.625) 50(3.25,5.625) 51(2.75,5.625) 52(2.25,5.625) 53(1.75,5.625) 54(1.25,5.625) 55(0.75,5.625) 56(0.25,5.625) 57(-0.25,5.625) 58(-0.75,5.625) 59(-1.25,5.625) 60(-1.75,5.625) 61(-2.25,5.625) 62(-2.75,5.625) 63(-3.25,5.625) 64(-3.75,5.625)
  silkscreen extent -5.65,-4.35 4.35,4.55, body extent -6,-6 6,6, height 1.09

## Part data
B1: "600Ω @ 100MHz  / 线路数 1  / 额定电流（最大） 600mA  / 直流电阻（DCR）（最大） 210mΩ", 厂家=muRata(村田), 型号=BLM21AG601SN1D, 封装=0805, 类型=Bead, 订货编码=C85837
BT1A BT1B: library part Battery_18650_DIP, "18650单节直插电池仓", System=Connector, 厂家=-, 型号=DIP-18650, 封装=DIP, 类型=电池盒/电池座, 订货编码=-
C1A C1B C1C C1D C1E C2A C2B C2C C2D C2E C27A C27B C36 C37 C38 C39 C40 C41 C42 C43 C44 C45 C51 C52 C53 C54 C55 C56 C57 C58 C59 C60: library part 1uF/0603/50V, "精度 ±10%  / 容值 1uF  / 额定电压 50V  / 温漂系数（介质材料) X7R", 厂家=FH(风华), 型号=0603B105K500NT, 封装=0603, 类型=Capacitor, 订货编码=C90540
C3A C3B C3C C3D C3E C4A C4B C4C C4D C4E C6A C6B C6C C6D C6E C7A C7B C7C C7D C7E C9A C9B C12A C12B C15A C15B C16A C16B C17A C17B C18A C18B C21A C21B C22A C22B C30A C30B C31A C31B C34 C66A C66B C66C C66D C66E C67A C67B C67C C67D C67E C69A C69B C69C C69D C69E C70A C70B C70C C70D C70E C71A C71B C71C C71D C71E C73A C73B C73C C73D C73E C74 C75 C77: library part 100nF/0603/50V, "精度 ±10%  / 容值 100nF  / 额定电压 50V  / 温漂系数（介质材料) X7R", 厂家=FH(风华), 型号=0603B104K500NT, 封装=0603, 类型=Capacitor, 订货编码=C30926
C5A C5B C5C C5D C5E C8A C8B C8C C8D C8E C33 C76: library part 100pF/0603/50V, "精度 ±5%  / 容值 100pF  / 额定电压 50V  / 温漂系数（介质材料) C0G", 厂家=FH(风华), 型号=0603CG101J500NT, 封装=0603, 类型=Capacitor, 订货编码=C1635
C10A C10B C11A C11B C13A C13B C14A C14B C19A C19B: library part 10uF/0805/16V, "精度 ±10%  / 容值 10uF  / 额定电压 16V  / 温漂系数（介质材料) X7R", 厂家=FH(风华), 型号=0805B106K160NT, 封装=0805, 类型=Capacitor, 订货编码=C92341
C20A C20B: library part 22uF/0805/16V, "精度 ±20%  / 容值 22uF  / 额定电压 16V  / 温漂系数（介质材料) X5R", 厂家=FH(风华), 型号=0805X226M160NT, 封装=0805, 类型=Capacitor, 订货编码=C129302
C23A C23B C24A C24B: library part 100pF/0402/50V, "精度 ±5%  / 容值 100pF  / 额定电压 50V  / 温漂系数（介质材料) C0G", 厂家=FH(风华), 型号=0402CG101J500NT, 封装=0402, 类型=Capacitor, 订货编码=C1546
C25A C25B C26A C26B C28A C28B C29A C29B: library part 12pF/0402/50V, "精度 ±1%  / 容值 12pF  / 额定电压 50V  / 温漂系数（介质材料) C0G", 厂家=FH(风华), 型号=0402CG120F500NT, 封装=0402, 类型=Capacitor, 订货编码=C182477
C32 C35: library part 1nF/0603/50V, "精度 ±5%  / 容值 1nF  / 额定电压 50V  / 温漂系数（介质材料) C0G", 厂家=FH(风华), 型号=0603CG102J500NT, 封装=0603, 类型=Capacitor, 订货编码=C1636
C46 C61: library part 330nF/0603/25V, "精度 ±10%  / 容值 330nF  / 额定电压 25V  / 温漂系数（介质材料) X7R", 厂家=FH(风华), 型号=0603B334K250NT, 封装=0603, 类型=Capacitor, 订货编码=C1615
C47 C62: library part 470pF/0603/50V, "精度 ±5%  / 容值 470pF  / 额定电压 50V  / 温漂系数（介质材料) C0G", 厂家=FH(风华), 型号=0603CG471J500NT, 封装=0603, 类型=Capacitor, 订货编码=C36252
C48 C49 C50 C63 C64 C65: library part 270nF/0603/50V, "精度 ±10%  / 容值 270nF  / 额定电压 50V  / 温漂系数（介质材料) X7R", 厂家=CCTC(三环), 型号=TCC0603X7R274K500CT, 封装=0603, 类型=Capacitor, 订货编码=C376826
C68A C68B C68C C68D C68E C72A C72B C72C C72D C72E: library part 10nF/0603/C0G/50V, "精度 ±5%  / 容值 10nF  / 额定电压 50V  / 温漂系数（介质材料) C0G", 厂家=FH(风华), 型号=0603CG103J500NT, 封装=0603, 类型=Capacitor, 订货编码=C82282
D1A D1B: "直流反向耐压（Vr） 40V  / 平均整流电流（Io） 3A  / 正向压降（Vf） 550mV @ 3A", 厂家=DIODES(美台), 型号=B340A-13-F, 封装=SMA, 类型=肖特基二极管, 订货编码=C85098
D2 D3: "LED SMD贴片0603顶部发光 / 黄色雾状胶体，高亮白色光 / 电压VF:2.6-3.1V@5mA / 亮度Iv:228-450mcd@5mA / 坐标x:0.3,y:0.3 / 发光角度:120deg", 厂家=MEIHUA(美华科技), 型号=MHT192WDT-C2, 封装=0603, 类型=LED, 订货编码=C389521
J1A J1B J1C J1D J1E: "3pin,单排,2.54mm间距", System=Connector, 厂家=/, 型号=/, 封装=/, 类型=/, 订货编码=/
J2A J2B: library part 73412-0110, "RF同轴连接器（天线座）", System=Connector, 厂家=MOLEX, 型号=734120110, 封装=SMD, 类型=IPEX插座, 订货编码=C434806
J3A J3B: library part Molex-530470510, "MX1.25 直插 镀锡 5P 针座", System=Connector, 厂家=MOLEX, 型号=530470510, 封装="1.25mm 5p", 类型=连接器, 订货编码=C471412
L1A L1B: library part 2.2uH/NR2016, "精度 ±20%  / 饱和电流 1.3A  / 温升电流1.15A / 直流电阻（内阻） 175mΩ  / 电感值 2.2uH", 厂家=Sunlord(顺络), 型号=SPH201610U2R2MT, 封装=NR2016, 类型=Inductor, 订货编码=C96796
L2A L2B: library part 6.8uH/0805, "精度 ±10%  / 电感值 6.8uH  / 直流电阻（内阻） 250mΩ  / 额定电流 250mA", 厂家=FH(风华), 型号=CMP201209XD6R8KT, 封装=0805, 类型=Inductor, 订货编码=C139247
P1A P1B P2 P3 P4 P5 P7 P8A P8B P8C P8D P8E: "Header, 2-Pin", System=Connector, 厂家=/, 型号=/, 封装=/, 类型=/, 订货编码=/
Q1A Q1B: "漏源电压（Vdss） 20V  / 连续漏极电流（Id）（25°C 时） 6.5A  / 栅源极阈值电压 900mV @ 250uA  / 漏源导通电阻 24mΩ @ 6.5A,4.5V  / 最大功率耗散（Ta=25°C） 850mW  / 类型 双N沟道(共漏)", 厂家=DIODES(美台), 型号=DMG6968UDM-7, 封装=SOT23-6, 类型=MOS(场效应管), 订货编码=C151635
R1A R1B R1C R1D R1E R2A R2B R2C R2D R2E R5A R5B R5C R5D R5E R13A R13B R29 R35 R42 R48 R54A R54B R54C R54D R54E R58A R58B R58C R58D R58E R62 R65: library part 10R/0603, "精度 ±1%  / 阻值 10Ω  / 温度系数 ±100ppm/℃  / 功率 0.1W", 厂家=FH(风华), 型号=RS-03K10R0FT, 封装=0603, 类型=Resistor, 订货编码=C136596
R3A R3B R3C R3D R3E R6A R6B R6C R6D R6E R26 R28 R41 R55A R55B R55C R55D R55E R56A R56B R56C R56D R56E R59A R59B R59C R59D R59E R60A R60B R60C R60D R60E R64 R68 R69 R70 R71 R72 R73: library part 1K/0603, "精度 ±1%  / 温度系数 ±100ppm/℃  / 阻值 1kΩ  / 功率 0.1W", 厂家=FH(风华), 型号=RS-03K1001FT, 封装=0603, 类型=Resistor, 订货编码=C115325
R4A R4B R4C R4D R4E R7A R7B R7C R7D R7E R18A R18B R22 R23 R24 R25 R34 R39 R40 R47 R49 R53 R57A R57B R57C R57D R57E R61A R61B R61C R61D R61E R63 R66 R67: library part 10K/0603, "精度 ±1%  / 温度系数 ±100ppm/℃  / 阻值 10kΩ  / 功率 0.1W", 厂家=FH(风华), 型号=RS-03K1002FT, 封装=0603, 类型=Resistor, 订货编码=C115324
R8A R8B: library part 470R/0603, "精度 ±1%  / 温度系数 ±100ppm/℃  / 功率 0.1W", 厂家=FH(风华), 型号=RS-03K4700FT, 封装=0603, 类型=Resistor, 订货编码=C116694
R9A R9B: library part 2K/0603, "精度 ±1%  / 阻值 2kΩ  / 温度系数 ±100ppm/℃  / 功率 0.1W", 厂家=FH(风华), 型号=RS-03K2001FT, 封装=0603, 类型=Resistor, 订货编码=C115336
R10A R10B R11A R11B: library part 10M/0603, "温度系数 ±250ppm/℃  / 精度 ±1%  / 阻值 10MΩ  / 功率 0.1W", 厂家=FH(风华), 型号=RS-03L1005FT, 封装=0603, 类型=Resistor, 订货编码=C322040
R12A R12B R14A R14B R17A R17B: library part 100K/0603, "精度 ±1%  / 阻值 100kΩ  / 温度系数 ±100ppm/℃  / 功率 0.1W", 厂家=FH(风华), 型号=RS-03K1003FT, 封装=0603, 类型=Resistor, 订货编码=C115320
R15 R16: library part 330R/0603, "精度 ±1%  / 温度系数 ±100ppm/℃  / 阻值 330Ω  / 功率 0.1W", 厂家=FH(风华), 型号=RS-03K3300FT, 封装=0603, 类型=Resistor, 订货编码=C125768
R19A R19B R20A R20B: library part 0R/0603, "精度 ±1%  / 阻值 0Ω  / 功率 0.1W", 厂家=FH(风华), 型号=RS-03000FT, 封装=0603, 类型=Resistor, 订货编码=C136582
R21 R27 R30 R31 R32 R33 R43 R44 R45 R46: library part 47R/0603, "精度 ±1%  / 温度系数 ±100ppm/℃  / 阻值 47Ω  / 功率 0.1W", 厂家=FH(风华), 型号=RS-03K47R0FT, 封装=0603, 类型=Resistor, 订货编码=C140087
R36 R52: library part 10K/0603X4, "10K  / 电阻器数 4  / 精度 ±1%  / 安装类型 表面贴装  / 每元件功率 1/16W  / 温度系数 ±200ppm/℃", 厂家=UNI-ROYAL(厚声), 型号=4D03WGF1002T5E, 封装=0603_x4, 类型=Resistor, 订货编码=C425238
R37 R50: "PT1000", 厂家=FH(风华), 型号=PTS1206M1B1K00P100, 封装=1206, 类型=Resistor, 订货编码=C320418
R38 R51: library part 100K/0603/0.1%, "精度 ±0.1%  / 阻值 100kΩ  / 功率 0.1W", 厂家=YAGEO(国巨), 型号=RT0603BRE07100KL, 封装=0603, 类型=Resistor, 订货编码=C326758
U1A U1B U1C U1D U1E: "输出电压（最小值/固定） 2.5V  / 输出电流 5mA  / 输出电压（最大值） -  / 输入电压 2.7 V ~ 5.5 V  / 电源电流 8.5uA  / 输出类型 固定  / 工作温度 -40°C ~ 125°C(TA)  / 温度系数 30ppm/°C  / 阴极电流 -  / 精度 ±0.15%  / 参考源类型 系列", 厂家=TI(德州仪器), 型号=REF3325AIDBZR, 封装=SOT23-3, 类型=电源参考, 订货编码=C69039
U2A U2B U2C U2D U2E U3A U3B U3C U3D U3E U5A U5B U7 U8: "电源电压 1.8V ~ 5.5V, ±0.9V ~ 2.75V / 增益带宽积（GBP） 350kHz  / 压摆率（SR） 0.16 V/us  / 工作温度 -40°C ~ 125°C", 厂家=TI(德州仪器), 型号=TLV333IDCK, 封装=SC-70-5, 类型=运放, 订货编码=C181502
U4A U4B: "单节电池保护芯片 / 过充4.325V / 过放2.5V / 过流150mV", 厂家=ABLIC(艾普凌科), 型号=S-8261AAJMD-G2JT2S, 封装=SOT23-6, 类型=电池保护芯片, 订货编码=C125801
U6A U6B: "DCDC", 厂家=TI(德州仪器), 型号=TPS62740DSSR, 封装=DSS0012A, 类型=电源芯片, 订货编码=C128606
U9A U9B: "RF-MCU", 厂家=TI(德州仪器), 型号=CC1310F128RGZR, 封装=VQFN-48, 类型=MCU, 订货编码=C84353
U10A U10B: "770 - 860 860 - 928MHz / -40°C to +85°C / Pmax 2W", 厂家="Johanson Technology", 型号=0850BM14E0016, 封装=6P0603, 类型=Balun, 订货编码=-
U11A U11B: "863 - 960MHz / -40 to +85°C / 3Fo Attenuation (2589-2784MHz) 50dB / 2Fo Attenuation (1726-1856MHz) 59dB", 厂家="Johanson Technology", 型号=0900LP15B0063, 封装=8P0805, 类型=低通
U12A U12B: "看门狗", 厂家=TI(德州仪器), 型号=TPL5010DDCR, 封装=SOT23-Thin-6, 类型=看门狗, 订货编码=C473912
U13 U16: "-", 厂家=TI(德州仪器), 型号=ADS131E08SPAG, 封装=TQFP-64, 类型=模数转换芯片, 订货编码=C1520670
U14 U17: "电压参考", 厂家=TI(德州仪器), 型号=REF3312AIDBZR, 封装=SOT23-3, 类型=电源参考, 订货编码=C183104
U15 U18: "温度传感器2.5~5.5V", 厂家=UMW(友台半导体), 型号=DS18B20, 封装=TO-92, 类型=温度传感器, 订货编码=C473912
U19A U19B U19C U19D U19E U20A U20B U20C U20D U20E: "增益带宽积（GBP） 80kHz(-3dB)  / 放大器组数 1  / 输出类型 Rail-to-Rail  / 运放类型 Instrumentation  / 各通道功耗 -  / 压摆率（SR） 0.06 V/us  / 工作温度 -40℃~85℃  / 电源电压 2.2V ~ 36V, ±1.1V ~ 18V", 厂家=TI(德州仪器), 型号=AD627BRZ, 封装=SOIC-8_150mil, 类型=运放, 订货编码=C19137
VD1 VD2: "共阴极，IF=0.2A,VRRM=30V,VF=0.24V@0.1mA,IR=2uA@25V,trr=5ns,SOT23-3,-55℃～150℃", 厂家=Nexperia(安世), 型号=BAT54C,215, 封装=SOT-23-3, 类型=肖特基二极管, 订货编码=C37704
X1A X1B: library part X1E000021012700, "等效串联电阻（ESR） 40Ω  / 无源贴片晶振  / 主频 24MHz  / 频率公差 ±10ppm  / 负载电容值 9pF  / 工作温度 -40℃~85℃", 厂家=EPSON(爱普生), 型号=X1A000061002100, 封装=SMD-3225, 类型=晶振, 订货编码=C89577
X2A X2B: library part "FC-135 32.768KHz ±20ppm 12.5pF", "等效串联电阻（ESR） 70kΩ  / 晶振类型 无源贴片晶振  / 主频 32.768KHz  / 频率公差 ±20ppm  / 负载电容值 12.5pF  / 工作温度 -40℃~85℃", 厂家=EPSON(爱普生), 型号=Q13FC1350000400, 封装=SMD-3215_2P, 类型=晶振, 订货编码=C32346

## Via types
v1: diameter 17.72, hole 7.87, Top Layer to Bottom Layer, tented both sides, 360 vias
v2: diameter 17.72, hole 7.87, Top Layer to Bottom Layer, 24 vias
v3: diameter 19.68, hole 11.81, Top Layer to Bottom Layer, 6 vias